# Altium PCB UD3.1-Zogger-Laptop.PcbDoc (part 1 of 2) (continued)
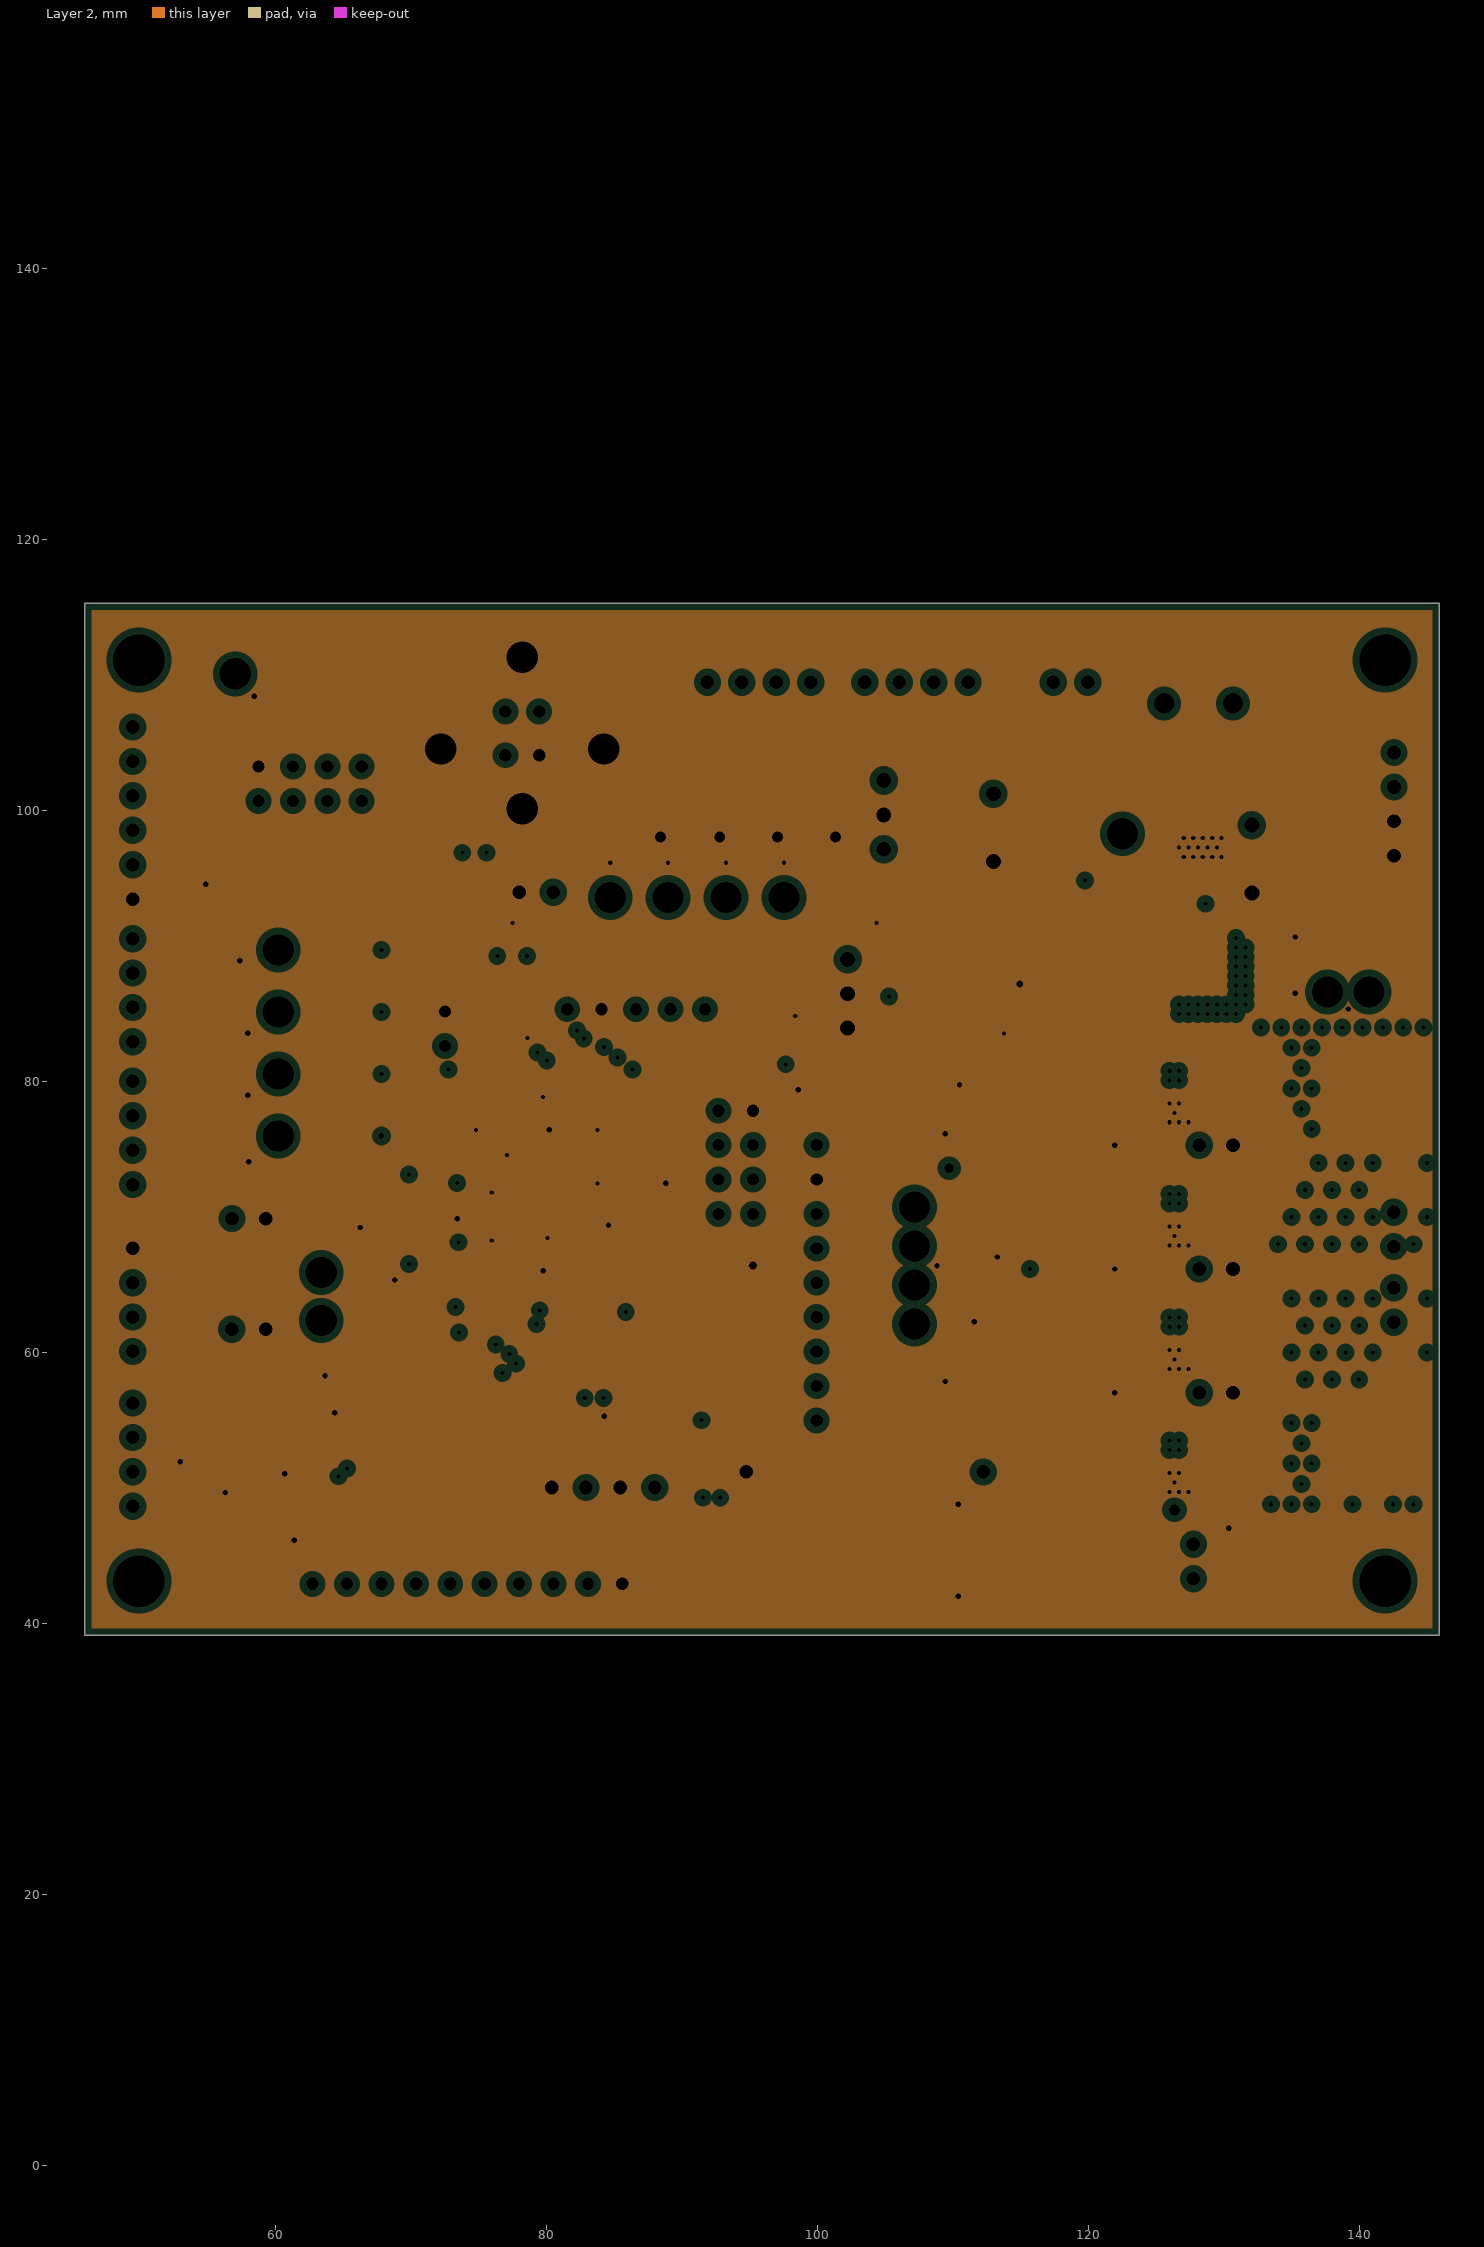
[diagram p3: Layer 2, clearances drawn from the general rule]
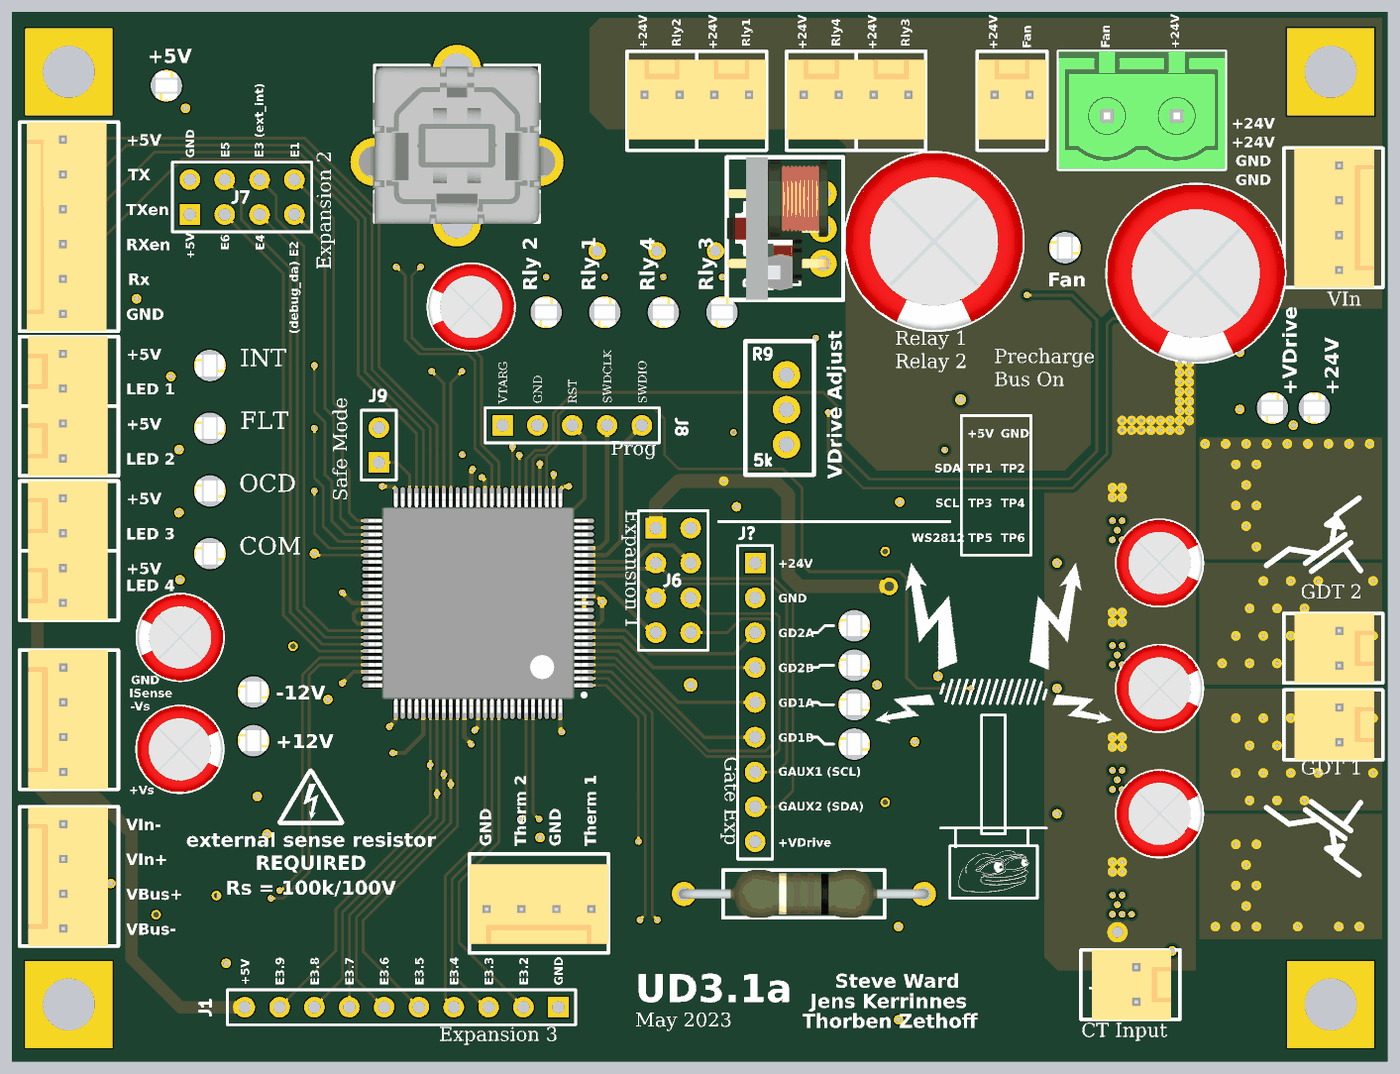
[diagram p5: 3D render of the assembled board from above, using the file's embedded part models]
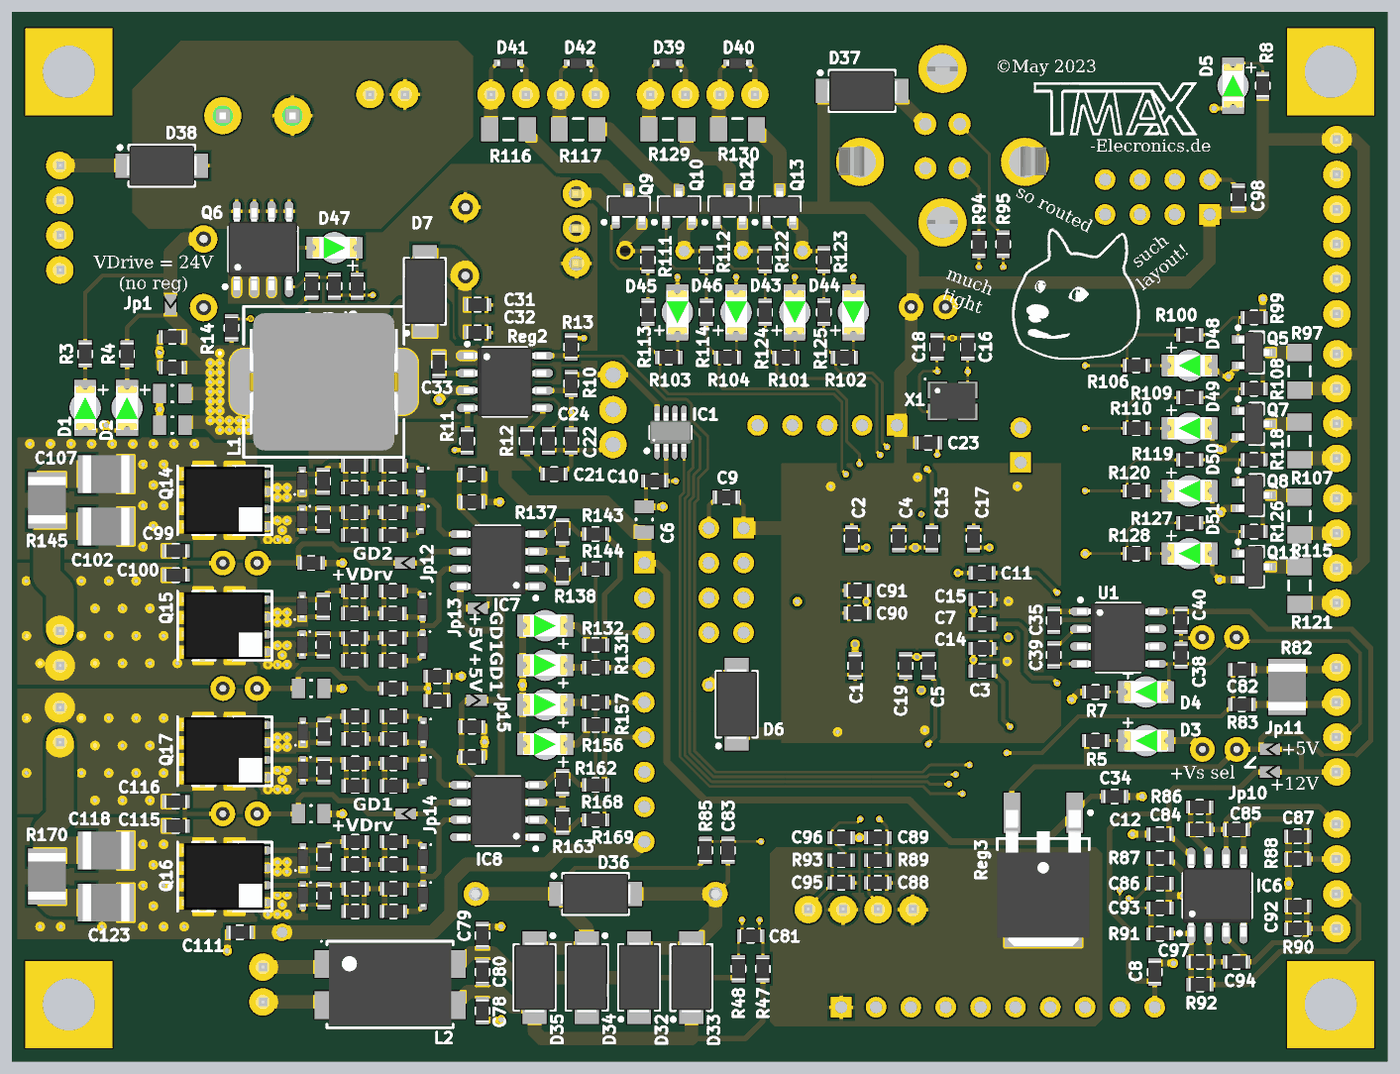
[diagram p6: 3D render of the assembled board from below, using the file's embedded part models]

## Layer stack, top to bottom
Top Solder: solder mask 0.0102, Solder Resist, Dk 3.5
Top Layer: signal copper 0.0356
Dielectric 2: prepreg 0.0711, PP-006, Dk 4.1
Layer 1: plane copper 0.035, net GND
Dielectric 1: dielectric 0.32, FR-4, Dk 4.8
Layer 2: plane copper 0.035, net GND
Dielectric 3: prepreg 0.0711, PP-006, Dk 4.1
Bottom Layer: signal copper 0.0356
Bottom Solder: solder mask 0.0102, Solder Resist, Dk 3.5

## Board outline
45.911,39.125 45.911,115.325 145.911,115.325 145.911,39.125

## Design rules (kind name [scope] priority, off if disabled: settings)
BoardOutlineClearance [All] p1: gap=0.254 ignorepadtopadclearanceinfootprint=FALSE except(0: Arc-SplitContinuation Track-SplitContinuation SMDPad-SplitContinuation THPad-SplitContinuation Via-SplitContinuation Fill-SplitContinuation Poly-SplitContinuation Region-SplitContinuation Text-SplitContinuation)
Clearance [All] p1: gap=0.254 ignorepadtopadclearanceinfootprint=FALSE except(0: Arc-Text Arc-Hole Track-Text Track-Hole SMDPad-Text SMDPad-Hole THPad-Text THPad-Hole Via-Text Via-Hole Fill-Text Fill-Hole Poly-Text Poly-Hole Region-Text Region-Hole Text-Text Text-Hole; 0.152: Arc-Arc Arc-Track Arc-SMDPad Arc-THPad Arc-Via Track-Track Track-SMDPad Track-THPad Track-Via SMDPad-SMDPad SMDPad-THPad SMDPad-Via THPad-THPad THPad-Via THPad-Fill THPad-Poly THPad-Region Via-Via)
HoleSize [All] p1: absolutevalues=TRUE maxlimit=10 minlimit=0.025 maxpercent=80.000 minpercent=20.000
MinimumSolderMaskSliver [All] p1: minsoldermaskwidth=0
PlaneClearance [All] p1: clearance=0.508
PlaneConnect [All] p1: pad.planeconnectstyle=Relief pad.reliefexpansion=0.508 pad.reliefentries=4 pad.reliefconductorwidth=0.254 pad.reliefairgap=0.254 via.planeconnectstyle=Direct via.reliefexpansion=0.508 via.reliefentries=4 via.reliefconductorwidth=0.254 via.reliefairgap=0.254
PolygonConnect PolygonConnect_1 [InNet('NetC33_1') vs InNet('NetC33_1')] p1: connectstyle=Direct reliefconductorwidth=0.254 reliefentries=4 polygonreliefangle="90 Angle" airgapwidth=0.254
PolygonConnect PolygonConnect_2 [InNet('+VDrive') or InNet('NetC99_2') or InNet('NetC100_2') or InNet('NetC115_2') or InNet('NetC116_2') vs InNet('+VDrive') or InNet('NetC99_2') or InNet('NetC100_2') or InNet('NetC115_2') or InNet('NetC116_2')] p2: connectstyle=Direct reliefconductorwidth=0.254 reliefentries=4 polygonreliefangle="90 Angle" airgapwidth=0.254
PolygonConnect [All] p3: thpad.connectstyle=Relief thpad.reliefconductorwidth=0.254 thpad.reliefentries=4 thpad.polygonreliefangle="90 Angle" thpad.airgapwidth=0.254 smdpad.connectstyle=Relief smdpad.reliefconductorwidth=0.254 smdpad.reliefentries=4 smdpad.polygonreliefangle="90 Angle" smdpad.airgapwidth=0.254 via.connectstyle=Direct via.reliefconductorwidth=0.254 via.reliefentries=4 via.polygonreliefangle="90 Angle" via.airgapwidth=0.254
RoutingVias [All] p1: holewidth=0 width=0 viastyle="Through Hole" minholewidth=0 minwidth=0 maxholewidth=0.711 maxwidth=1.27
SilkToSilkClearance [All] p1: silktosilkclearance=0
SilkToSolderMaskClearance [IsPad] p1: minsilkscreentomaskgap=0 clearancetoexposedcopper=TRUE
SolderMaskExpansion [All] p1: expansion=0.102 istentingtop=FALSE
Width [All] p1: maxlimit=10 minlimit=0.153 preferedwidth=0.3 minimp=50.000000 maximp=50.000000 favimp=50.000000
24 further rules are at their usual default settings.

## Classes and differential pairs
component class UD3.1: C98 D37 D38 D39 D40 D41 D42 J10 J11 J12 J13 J14 J15 J16 J17 J18 J19 J20 J21 J22 J23 J24 J25 J26 J27 J28 Jp10 Jp11 R94 R95
component class "Power Supply": C19 C20 C21 C22 C23 C24 C25 C26 C27 C28 C31 C32 C33 C34 C35 C36 C37 C38 C39 C40 C130 D1 D2 D3 D4 D5 D6 D7 IC1 IC2 Jp1 L1 R3 R4 R5 R7 R8 R9 R10 R11 R12 R13 R14 Reg1 Reg2 Reg3 U1
component class "GDT Driver powerstage": C99 C100 C101 C102 C103 C104 C105 C107 C108 C109 C110 C111 C112 C113 C114 C115 C116 C117 C118 C119 C120 C121 C123 C124 C125 C126 C127 C128 C129 D52 D53 D54 D55 D56 D57 D58 D59 D60 D61 D62 D63 D64 D65 D66 D67 D68 D69 D70 D71 IC7 IC8 Jp12 Jp13 Jp14 Jp15 Q14 Q15 Q16 Q17 R131 R132 R133 R134 R135 R136 R137 R138 R139 R140 R141 R142 R143 R144 R145 R146 R147 R148 R149 R150 R151 R152 R153 R154 R155 R156 R157 R158 R159 R160 R161 R162 R163 R164 R165 R166 R167 R168 R169 R170 R171 R172 R173 R174 R175 R176 R177 R178
component class "Digital IO": D43 D44 D45 D46 D47 D48 D49 D50 D51 Q5 Q6 Q7 Q8 Q9 Q10 Q11 Q12 Q13 R96 R97 R98 R99 R100 R101 R102 R103 R104 R105 R106 R107 R108 R109 R110 R111 R112 R113 R114 R115 R116 R117 R118 R119 R120 R121 R122 R123 R124 R125 R126 R127 R128 R129 R130
component class Controller: C1 C2 C3 C4 C5 C6 C7 C8 C9 C10 C11 C12 C13 C14 C15 C16 C17 C18 J1 J6 J7 J8 J9 J? MCU1 X1
component class AFE: C78 C79 C80 C81 C82 C83 C84 C85 C86 C87 C88 C89 C90 C91 C92 C93 C94 C95 C96 C97 D32 D33 D34 D35 D36 IC6 L2 R47 R48 R82 R83 R84 R85 R86 R87 R88 R89 R90 R91 R92 R93

## Components (designator, comment, footprint, x,y, rotation, side; value= is the part's Value field where it differs from the comment)
C1 "100nF" 0603 84.582,67.818 r270 bottom
C2 "100nF" 0603 84.836,77.089 r270 bottom
C3 "100nF" 0603 75.311,67.437 r180 bottom
C4 "100nF" 0603 81.407,77.089 r90 bottom
C5 "100nF" 0603 79.248,67.818 r270 bottom
C6 "100nF" 0805 99.949,78.486 r270 bottom
C7 "100nF" 0603 75.311,70.866 r180 bottom
C8 "100nF" 0603 62.738,45.481 r270 bottom
C9 "100nF" 0603 93.98,80.115 r180 bottom
C10 "100nF" 0603 99.187,81.28 r0 bottom
C11 "1uF" 0603 75.316,74.586 r180 bottom
C12 "100nF" 0603 62.357,55.541 r180 bottom
C13 "100nF" 0603 78.994,77.089 r90 bottom
C14 "100nF" 0603 75.311,69.088 r180 bottom
C15 "100nF" 0603 75.311,72.644 r180 bottom
C16 "18pF" 0603 76.37,91.059 r90 bottom
C17 "100nF" 0603 75.946,77.089 r90 bottom
C18 "18pF" 0603 78.613,91.059 r90 bottom
C19 "100nF" 0603 80.899,67.818 r270 bottom
C20 "68uF" "Elko 6,3 x 11 x 2,5" 79.248,93.98 r180 top
C21 "22nF" 0603 106.53,81.788 r0 bottom
C22 "100pF" 0603 105.283,84.201 r270 bottom
C23 "100nF" 0603 79.248,84.074 r0 bottom
C24 "22nF" 0603 106.934,84.201 r90 bottom
C25 "1mF 35V" "Elko 13 x 25 x 5" 112.992,98.752 r270 top
C26 "1mF 35V" "Elko 13 x 25 x 5" 132.08,96.433 r270 top
C27 "68uF" "Elko 6,3 x 11 x 2,5" 129.433,75.311 r0 top
C28 "68uF" "Elko 6,3 x 11 x 2,5" 129.433,57.023 r0 top
C31 "100nF" 0603 112.11,94.145 r180 bottom
C32 "100nF" 0603 112.11,92.121 r180 bottom
C33 "100nF" 0603 114.935,89.789 r270 bottom
C34 "100nF" 0603 65.659,58.293 r0 bottom
C35 "100nF" 0603 70.104,71.122 r90 bottom
C36 "68uF" "Elko 6,3 x 11 x 2,5" 58.011,61.722 r0 top
C37 "68uF" "Elko 6,3 x 11 x 2,5" 58.033,69.89 r180 top
C38 "100nF" 0603 60.818,68.582 r270 bottom
C39 "4.7uF" 0603 70.104,68.612 r270 bottom
C40 "100nF" 0603 60.818,71.122 r90 bottom
C78 "150pF" 0603 111.76,42.66 r270 bottom
C79 "150pF" 0603 111.76,48.148 r90 bottom
C80 "1nF" 0603 111.76,45.486 r270 bottom
C81 "150pF" 0603 92.202,48.133 r180 bottom
C82 "10nF" 0603 56.385,67.535 r0 bottom
C83 "150pF" 0603 93.853,54.356 r270 bottom
C84 "100nF" 0603 59.463,55.88 r0 bottom
C85 "10nF" 0603 56.796,55.88 r180 bottom
C86 "NOP" 0603 62.357,51.943 r0 bottom
C87 "100nF" 0603 52.324,55.381 r0 bottom
C88 "100nF" 0603 82.931,51.988 r0 bottom
C89 "100nF" 0603 82.931,55.29 r180 bottom
C90 "100nF" 0603 84.406,71.666 r0 bottom
C91 "10nF" 0603 84.406,73.317 r0 bottom
C92 "100nF" 0603 52.324,50.292 r180 bottom
C93 "NOP" 0603 62.357,50.165 r0 bottom
C94 "10nF" 0603 56.781,46.228 r0 bottom
C95 "100nF" 0603 85.598,51.988 r0 bottom
C96 "100nF" 0603 85.598,55.29 r0 bottom
C97 "100nF" 0603 59.433,46.228 r0 bottom
C98 "100nF" 0603 56.642,101.981 r90 bottom
C99 "1nF" 0603 134.112,76.2 r0 bottom
C100 "1nF" 0603 134.112,74.422 r0 bottom
C101 "100nF" 0603 112.522,81.788 r180 bottom
C102 "2.2uF" 1210 139.192,77.978 r0 bottom
C103 "6.8nF" 0603 121.079,77.343 r0 bottom
C104 "6.8nF" 0603 121.079,69.85 r0 bottom
C105 "100nF" 0603 112.522,79.756 r180 bottom
C107 "1uF 50V" 1210 139.192,81.788 r0 bottom
C108 "6.8nF" 0603 121.079,82.423 r0 bottom
C109 "6.8nF" 0603 121.079,71.628 r0 bottom
C110 "100nF" 0603 115.047,65.278 r0 bottom
C111 "100nF" 0603 129.433,48.387 r180 bottom
C112 "10uF" 0805 134.366,85.364 r180 bottom
C113 "10uF" 0805 134.366,87.66 r180 bottom
C114 "100nF" 0603 134.366,91.806 r180 bottom
C115 "1nF" 0603 134.112,56.134 r0 bottom
C116 "1nF" 0603 134.112,57.912 r0 bottom
C117 "100nF" 0603 112.522,63.381 r180 bottom
C118 "2.2uF" 1210 139.192,54.356 r0 bottom
C119 "6.8nF" 0603 121.031,49.911 r0 bottom
C120 "6.8nF" 0603 121.031,60.706 r0 bottom
C121 "100nF" 0603 112.522,61.159 r180 bottom
C123 "1uF 50V" 1210 139.192,50.546 r0 bottom
C124 "6.8nF" 0603 121.031,53.34 r0 bottom
C125 "6.8nF" 0603 121.031,64.135 r0 bottom
C126 "100nF" 0603 134.366,89.55 r180 bottom
C127 "10uF" 0805 124.242,57.023 r0 bottom
C128 "10uF" 0805 124.242,66.167 r0 bottom
C129 "100nF" 0603 124.242,75.311 r0 bottom
C130 "68uF" "Elko 6,3 x 11 x 2,5" 129.433,66.167 r0 top
D1 "green" "1206 Reverse Mount" 140.716,86.614 r270 bottom
D2 "green" "1206 Reverse Mount" 137.668,86.614 r270 bottom
D3 "green" "1206 Reverse Mount" 63.373,62.357 r180 bottom
D4 "green" "1206 Reverse Mount" 63.373,65.913 r180 bottom
D5 "green" "1206 Reverse Mount" 57.023,110.109 r270 bottom
D6 "5.2V" DO-214 93.218,65.024 r90 bottom
D7 "30V 5A" DO-214 115.951,95.123 r90 bottom
D32 "Schottky 30V 1A" DO-214 100.33,45.094 r90 bottom
D33 "Schottky 30V 1A" DO-214 96.52,45.085 r90 bottom
D34 "Schottky 30V 1A" DO-214 104.14,45.094 r270 bottom
D35 "Schottky 30V 1A" DO-214 107.95,45.094 r270 bottom
D36 "Zener 5.2V" DO-214 103.505,51.181 r180 bottom
D37 "Schottky 30V 1A" DO-214 84.074,109.728 r180 bottom
D38 "Schottky 30V 1A" DO-214 135.128,104.276 r180 bottom
D39 "Schottky 30V 100mA" SOD523 98.235,111.76 r0 bottom
D40 "Schottky 30V 100mA" SOD523 93.155,111.76 r0 bottom
D41 "Schottky 30V 100mA" SOD523 109.855,111.76 r0 bottom
D42 "Schottky 30V 100mA" SOD523 104.775,111.76 r0 bottom
D43 "blue" "1206 Reverse Mount" 88.985,93.591 r90 bottom
D44 "blue" "1206 Reverse Mount" 84.709,93.591 r90 bottom
D45 "blue" "1206 Reverse Mount" 97.536,93.591 r90 bottom
D46 "blue" "1206 Reverse Mount" 93.26,93.591 r90 bottom
D47 "blue" "1206 Reverse Mount" 122.536,98.299 r0 bottom
D48 "blue" "1206 Reverse Mount" 60.198,89.71 r180 bottom
D49 "blue" "1206 Reverse Mount" 60.198,85.138 r180 bottom
D50 "blue" "1206 Reverse Mount" 60.198,80.566 r180 bottom
D51 "blue" "1206 Reverse Mount" 60.198,75.994 r180 bottom
D52 "blue" "1206 Reverse Mount" 107.18,67.86 r0 bottom
D53 "blue" "1206 Reverse Mount" 107.18,70.739 r0 bottom
D54 "6.8V" SOD523 124.889,78.498 r270 bottom
D55 "6.8V" SOD523 124.889,69.354 r270 bottom
D56 "Schottky 30V 100mA" SOD523 116.253,78.498 r270 bottom
D57 "Schottky 30V 100mA" SOD523 116.126,69.354 r270 bottom
D58 "Schottky 30V 100mA" SOD523 116.253,81.268 r270 bottom
D59 "Schottky 30V 100mA" SOD523 116.126,72.124 r270 bottom
D60 "6.8V" SOD523 124.889,81.268 r90 bottom
D61 "6.8V" SOD523 124.889,72.136 r90 bottom
D62 "blue" "1206 Reverse Mount" 107.18,62.103 r0 bottom
D63 "blue" "1206 Reverse Mount" 107.18,64.982 r0 bottom
D64 "6.8V" SOD523 124.841,51.066 r270 bottom
D65 "6.8V" SOD523 124.841,60.21 r270 bottom
D66 "Schottky 30V 100mA" SOD523 116.078,51.066 r270 bottom
D67 "Schottky 30V 100mA" SOD523 116.078,60.21 r270 bottom
D68 "Schottky 30V 100mA" SOD523 116.078,53.836 r270 bottom
D69 "Schottky 30V 100mA" SOD523 116.078,62.98 r270 bottom
D70 "6.8V" SOD523 124.841,53.836 r90 bottom
D71 "6.8V" SOD523 124.841,62.98 r90 bottom
IC1 "AD5160 5k" "Sot 23-8" 98.044,84.836 r90 bottom
IC6 "MCP6477" soic8 58.178,51.063 r90 bottom
IC7 "UCC2742X" SOIC8 110.617,75.514 r0 bottom
IC8 "UCC2742X" SOIC8 110.617,57.226 r0 bottom
J1 "Expansion 3" HDR1X10 85.598,42.926 r180 top
J6 "Expansion 1" HDR2X4 92.71,77.851 r270 top
J7 "Expansion 2" HDR2X4 58.738,100.72 r0 top
J8 "Prog" HDR1X5 81.534,85.344 r0 top
J9 "Safe Mode" HDR1X2 72.517,82.638 r90 top
J10 "6 pin header" "6 KK254 / KF2510" 49.467,99.831 r90 top
J11 "GDT 2" "2 KK254 / KF2510" 142.558,70.367 r270 top
J12 "GDT 1" "2 KK254 / KF2510" 142.558,64.779 r270 top
J13 "USB 2.0 Type B Jack" "USB 2.0 Type B Vertical" 78.212,104.095 r0 top
J14 "CT Input" "2 KK254 / KF2510" 127.762,45.847 r270 top
J15 "Therm" "4 KK254 / KF2510" 84.185,50.038 r180 top
J16 "LEM" "4 KK254 / KF2510" 49.467,63.89 r90 top
J17 "VSense" "4 KK254 / KF2510" 49.467,52.46 r90 top
J18 "COM" "2 KK254 / KF2510" 49.467,72.399 r90 top
J19 "OCD" "2 KK254 / KF2510" 49.467,77.479 r90 top
J20 "FLT" "2 KK254 / KF2510" 49.467,82.94 r90 top
J21 "Relay 1" "2 KK254 / KF2510" 96.965,109.474 r0 top
J22 "Relay 2" "2 KK254 / KF2510" 91.885,109.474 r0 top
J23 "Relay 3" "2 KK254 / KF2510" 108.585,109.474 r0 top
J24 "Relay 4" "2 KK254 / KF2510" 103.505,109.474 r0 top
J25 "Fan" "2 KK254 / KF2510" 117.412,109.474 r0 top
J26 "Fan" "2 screw terminal vertical" 128.143,107.924 r0 top
J27 "VIn" "4 KK254 / KF2510" 142.57,100.482 r270 top
J28 "INT" "2 KK254 / KF2510" 49.467,88.02 r90 top
J? "Gate Exp" HDR1X9 99.949,75.311 r270 top (schematic designator P1)
Jp1 "VDrive Reg Disable" "PCB Jumper NO" 134.493,94.107 r90 bottom
Jp10 "LEM 5V" "PCB Jumper NO" 54.371,60.071 r180 bottom
Jp11 "LEM 12V" "PCB Jumper NO" 54.371,61.722 r180 bottom
Jp12 "GD2 VDrv" "PCB Jumper NO" 117.435,75.311 r180 bottom
Jp13 "GD2 5V" "PCB Jumper NO" 112.141,72.009 r180 bottom
Jp14 "GD1 VDrv" "PCB Jumper NO" 117.387,57.023 r180 bottom
Jp15 "GD1 5V" "PCB Jumper NO" 112.141,65.304 r0 bottom
L1 "25uH" "Inductor 11x11mm" 123.317,88.519 r0 bottom locked
L2 "Common mode filter" "SON127P600 4 POS (8.50mm x 5.60mm)" 118.491,44.577 r180 bottom
MCU1 "CY8C5868AXI-LP032" "TQFP 100" 79.756,72.39 r180 top
Q5 "MOSFET" "sot 23" 55.506,90.66 r180 bottom
Q6 "Power NFet" SOIC8 127.762,98.204 r90 bottom
Q7 "MOSFET" "sot 23" 55.506,85.455 r180 bottom
Q8 "MOSFET" "sot 23" 55.506,80.249 r180 bottom
Q9 "MOSFET" "sot 23" 101.08,101.31 r90 bottom
Q10 "MOSFET" "sot 23" 97.419,101.31 r90 bottom
Q11 "MOSFET" "sot 23" 55.506,75.044 r180 bottom
Q12 "MOSFET" "sot 23" 93.743,101.31 r90 bottom
Q13 "MOSFET" "sot 23" 90.082,101.31 r90 bottom
Q14 "Mosfet 1N1P" "SO-8FL - Dual" 130.588,79.883 r90 bottom
Q15 "Mosfet 1N1P" "SO-8FL - Dual" 130.588,70.739 r90 bottom
Q16 "Mosfet 1N1P" "SO-8FL - Dual" 130.588,52.451 r90 bottom
Q17 "Mosfet 1N1P" "SO-8FL - Dual" 130.588,61.595 r90 bottom
R3 "56k" 0603 140.716,90.551 r270 bottom
R4 "47k" 0603 137.668,90.551 r270 bottom
R5 "27k" 0603 67.056,62.357 r180 bottom
R7 "27k" 0603 67.056,65.913 r180 bottom
R8 "8.2k" 0603 54.864,110.109 r90 bottom
R9 "5k" "Trimmer vert" 102.235,86.487 r270 top
R10 "3k" 0603 105.283,88.391 r270 bottom
R11 "47k" 0603 112.86,84.201 r90 bottom
R12 "10k" 0603 108.535,84.201 r90 bottom
R13 "10k" 0603 105.283,91.059 r270 bottom
R14 "86k" 0603 130.048,92.456 r270 bottom
R47 "100" 0603 91.313,45.72 r270 bottom
R48 "100" 0603 93.091,45.72 r270 bottom
R82 "49.9" 1210 53.086,66.275 r270 bottom
R83 "470" 0603 56.385,64.995 r180 bottom
R84 "3.3" "0411 THT 2W" 103.505,51.184 r270 top
R85 "1k" 0603 95.504,54.356 r270 bottom
R86 "5k" 0603 59.463,57.531 r0 bottom
R87 "4.7k" 0603 62.357,53.813 r0 bottom
R88 "5k" 0603 52.324,53.73 r0 bottom
R89 "100" 0603 82.931,53.639 r0 bottom
R90 "5k" 0603 52.324,48.65 r180 bottom
R91 "4.7k" 0603 62.357,48.283 r0 bottom
R92 "5k" 0603 59.433,44.577 r0 bottom
R93 "100" 0603 85.598,53.639 r0 bottom
R94 "22" 0603 75.565,98.537 r90 bottom
R95 "22" 0603 73.787,98.552 r90 bottom
R96 "10k" 0603 124.187,95.492 r90 bottom
R97 "1k 0.5W" 1206 52.188,89.29 r90 bottom
R98 "1k" 0603 122.536,95.492 r90 bottom
R99 "10k" 0603 55.506,93.218 r0 bottom
R100 "1k" 0603 60.198,91.948 r180 bottom
R101 "8.2k" 0603 89.635,90.297 r180 bottom
R102 "8.2k" 0603 85.359,90.297 r180 bottom
R103 "8.2k" 0603 98.167,90.297 r180 bottom
R104 "8.2k" 0603 93.891,90.297 r180 bottom
R105 "8.2k" 0603 120.885,95.492 r90 bottom
R106 "8.2k" 0603 64.093,89.71 r180 bottom
R107 "1k 0.5W" 1206 52.188,84.21 r90 bottom
R108 "10k" 0603 55.506,88.011 r0 bottom
R109 "1k" 0603 60.198,87.376 r180 bottom
R110 "8.2k" 0603 64.093,85.138 r180 bottom
R111 "10k" 0603 99.695,97.409 r270 bottom
R112 "10k" 0603 95.419,97.409 r270 bottom
R113 "1k" 0603 99.695,93.598 r90 bottom
R114 "1k" 0603 95.419,93.591 r90 bottom
R115 "1k 0.5W" 1206 52.188,78.749 r90 bottom
R116 "22 0.5W" 1206 109.855,106.934 r0 bottom
R117 "22 0.5W" 1206 104.775,106.934 r0 bottom
R118 "10k" 0603 55.506,82.835 r0 bottom
R119 "1k" 0603 60.198,82.835 r180 bottom
R120 "8.2k" 0603 64.093,80.566 r180 bottom
R121 "1k 0.5W" 1206 52.188,73.669 r90 bottom
R122 "10k" 0603 91.144,97.409 r270 bottom
R123 "10k" 0603 86.868,97.409 r270 bottom
R124 "1k" 0603 91.144,93.591 r90 bottom